# Altium PCB AVR64DA64-BREAKOUT.PcbDoc (part 1 of 4) (continued)
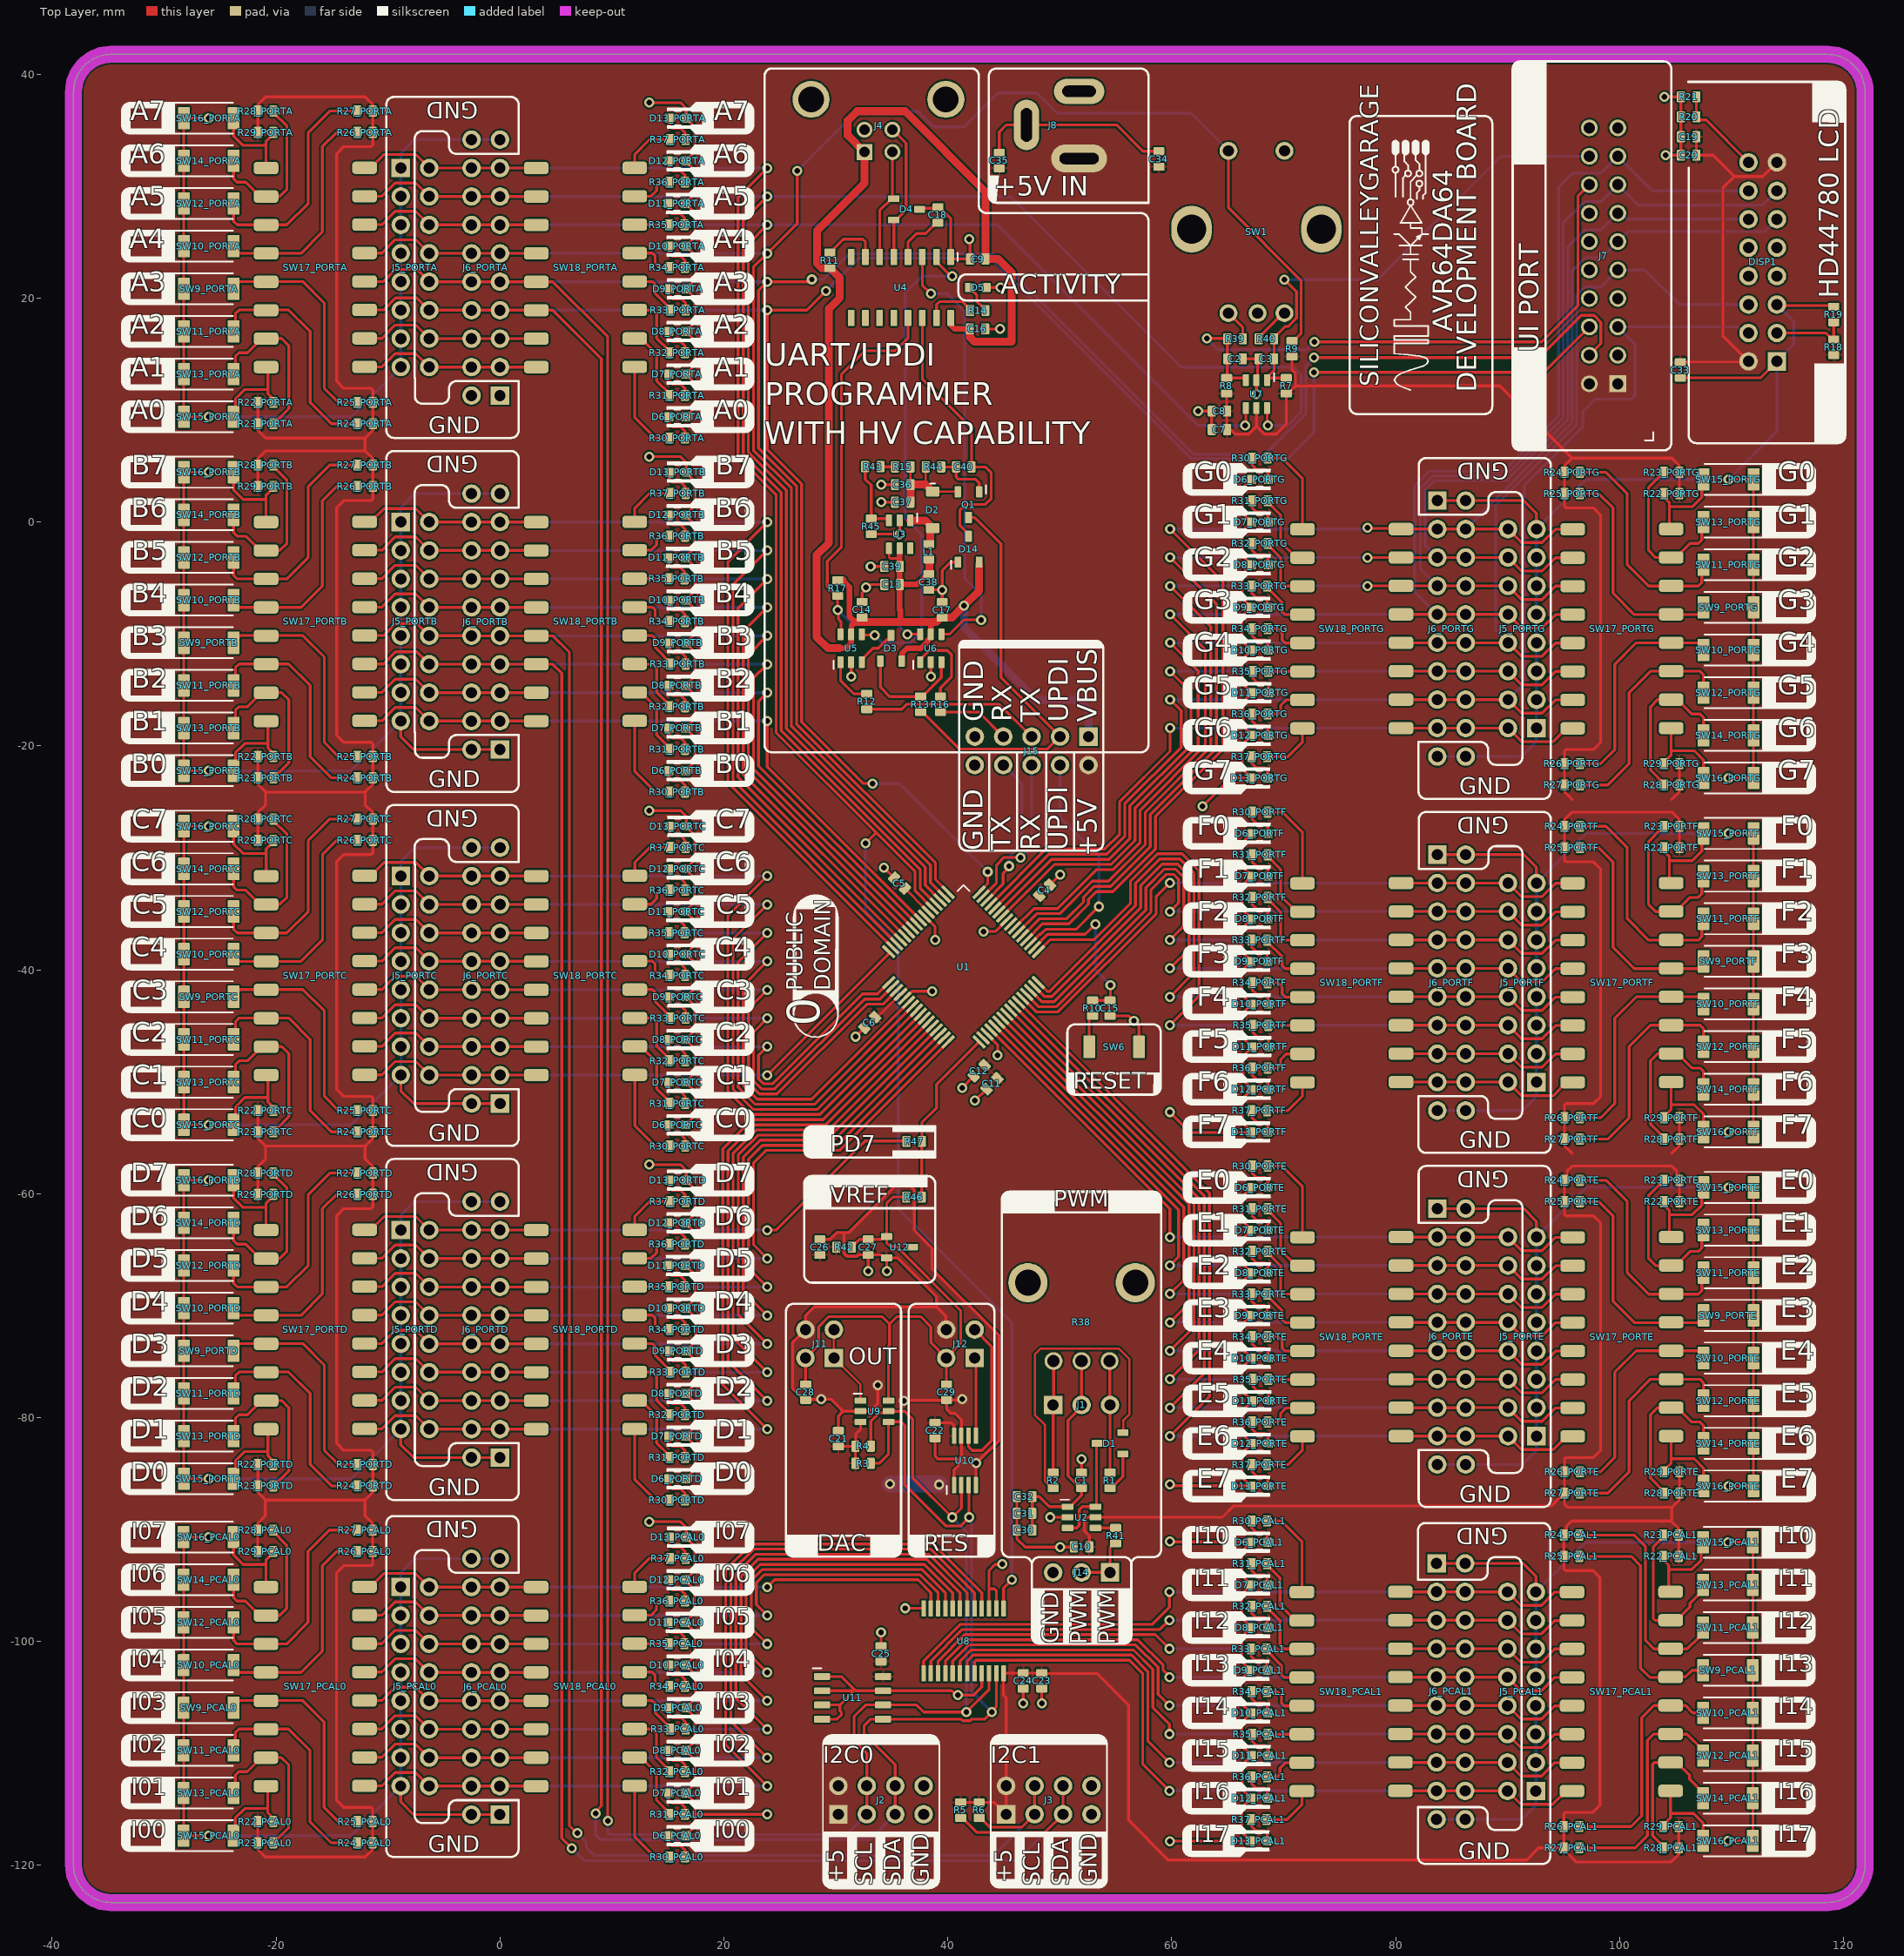
[diagram p0: Top Layer view]
## Components (designator, comment, footprint, x,y, rotation, side; value= is the part's Value field where it differs from the comment) (continued)
D12_PORTC "KT-0603W" LED-0603-GREEN 15.84,-30.976 r180 top (schematic designator D12)
D12_PORTD "KT-0603W" LED-0603-GREEN 15.836,-62.599 r180 top (schematic designator D12)
D12_PORTE "KT-0603W" LED-0603-GREEN 67.877,-82.296 r0 top (schematic designator D12)
D12_PORTF "KT-0603W" LED-0603-GREEN 67.877,-50.673 r0 top (schematic designator D12)
D12_PORTG "KT-0603W" LED-0603-GREEN 67.877,-19.05 r0 top (schematic designator D12)
D13_PCAL0 "KT-0603W" LED-0603-GREEN 15.879,-90.678 r180 top (schematic designator D13)
D13_PCAL1 "KT-0603W" LED-0603-GREEN 67.767,-117.796 r0 top (schematic designator D13)
D13_PORTA "KT-0603W" LED-0603-GREEN 15.891,36.08 r180 top (schematic designator D13)
D13_PORTB "KT-0603W" LED-0603-GREEN 15.891,4.457 r180 top (schematic designator D13)
D13_PORTC "KT-0603W" LED-0603-GREEN 15.895,-27.166 r180 top (schematic designator D13)
D13_PORTD "KT-0603W" LED-0603-GREEN 15.891,-58.789 r180 top (schematic designator D13)
D13_PORTE "KT-0603W" LED-0603-GREEN 67.822,-86.106 r0 top (schematic designator D13)
D13_PORTF "KT-0603W" LED-0603-GREEN 67.822,-54.483 r0 top (schematic designator D13)
D13_PORTG "KT-0603W" LED-0603-GREEN 67.822,-22.86 r0 top (schematic designator D13)
D14 "BAV99" SOT23 41.85,-2.425 r90 top
DISP1 "DISPLAY-LCD-2X40" CONNECTOR-GENERIC-BOXHEADER-2X8 112.792,23.233 r90 top
J1 "BOXHEADER-2X4" HEADER-GENERIC-MALE-1X3 51.943,-78.867 r0 top
J2 "BOXHEADER-2X4" CONNECTOR-GENERIC-PINHEADER-2X4 34.04,-114.173 r0 top
J3 "BOXHEADER-2X4" CONNECTOR-GENERIC-PINHEADER-2X4 49.026,-114.173 r0 top
J4 "CONN-CUI-UJ2-BH-BL1-TH" CONN-CUI-UJ2-BH-BL1-TH 33.102,35.877 r180 top
J5_PCAL0 "BOXHEADER-3X2" CONNECTOR-GENERIC-PINHEADER-2X8 -7.616,-104.013 r270 top (schematic designator J5)
J5_PCAL1 "BOXHEADER-3X2" CONNECTOR-GENERIC-PINHEADER-2X8 91.262,-104.461 r90 top (schematic designator J5)
J5_PORTA "BOXHEADER-3X2" CONNECTOR-GENERIC-PINHEADER-2X8 -7.604,22.745 r270 top (schematic designator J5)
J5_PORTB "BOXHEADER-3X2" CONNECTOR-GENERIC-PINHEADER-2X8 -7.604,-8.878 r270 top (schematic designator J5)
J5_PORTC "BOXHEADER-3X2" CONNECTOR-GENERIC-PINHEADER-2X8 -7.6,-40.501 r270 top (schematic designator J5)
J5_PORTD "BOXHEADER-3X2" CONNECTOR-GENERIC-PINHEADER-2X8 -7.604,-72.124 r270 top (schematic designator J5)
J5_PORTE "BOXHEADER-3X2" CONNECTOR-GENERIC-PINHEADER-2X8 91.317,-72.771 r90 top (schematic designator J5)
J5_PORTF "BOXHEADER-3X2" CONNECTOR-GENERIC-PINHEADER-2X8 91.317,-41.148 r90 top (schematic designator J5)
J5_PORTG "BOXHEADER-3X2" CONNECTOR-GENERIC-PINHEADER-2X8 91.317,-9.525 r90 top (schematic designator J5)
J6_PCAL0 "BOXHEADER-3X2" CONNECTOR-GENERIC-PINHEADER-2X10 -1.266,-104.013 r90 top (schematic designator J6)
J6_PCAL1 "BOXHEADER-3X2" CONNECTOR-GENERIC-PINHEADER-2X10 84.912,-104.461 r270 top (schematic designator J6)
J6_PORTA "BOXHEADER-3X2" CONNECTOR-GENERIC-PINHEADER-2X10 -1.254,22.745 r90 top (schematic designator J6)
J6_PORTB "BOXHEADER-3X2" CONNECTOR-GENERIC-PINHEADER-2X10 -1.254,-8.878 r90 top (schematic designator J6)
J6_PORTC "BOXHEADER-3X2" CONNECTOR-GENERIC-PINHEADER-2X10 -1.25,-40.501 r90 top (schematic designator J6)
J6_PORTD "BOXHEADER-3X2" CONNECTOR-GENERIC-PINHEADER-2X10 -1.254,-72.124 r90 top (schematic designator J6)
J6_PORTE "BOXHEADER-3X2" CONNECTOR-GENERIC-PINHEADER-2X10 84.967,-72.771 r270 top (schematic designator J6)
J6_PORTF "BOXHEADER-3X2" CONNECTOR-GENERIC-PINHEADER-2X10 84.967,-41.148 r270 top (schematic designator J6)
J6_PORTG "BOXHEADER-3X2" CONNECTOR-GENERIC-PINHEADER-2X10 84.967,-9.525 r270 top (schematic designator J6)
J7 "BOXHEADER-10X2" "CONNECTOR GENERIC-BOXHEADER-2X10" 98.57,23.785 r180 top
J8 "PJ002B" CONN-CUI-PJ-002B 51.725,38.475 r180 top
J11 "BOXHEADER-2x2" CONNECTOR-GENERIC-PINHEADER-2X2 28.575,-73.406 r90 top
J12 "BOXHEADER-2x2" CONNECTOR-GENERIC-PINHEADER-2X2 41.148,-73.406 r90 top
J14 "BOXHEADER-2X4" HEADER-GENERIC-MALE-1X3 51.943,-93.824 r180 top
J15 "BOXHEADER-3X2" CONNECTOR-GENERIC-PINHEADER-2X5 47.498,-20.447 r180 top
L1 "10uH" CAPC0603 38.3,-2.65 r90 top value=4u7H
Q1 "AO3401" SOT23 41.85,1.55 r270 top
R1 "RESC0603" RESC0603 54.483,-85.598 r270 top value=1K
R2 "RESC0603" RESC0603 49.403,-85.598 r270 top value=1K
R3 "RESC0603" RESC0603 32.431,-84.081 r0 top value=4K7
R4 "RESC0603" RESC0603 32.431,-82.557 r0 top value=4K7
R5 "RESC0603" RESC0603 41.148,-115.062 r270 top value=4K7
R6 "RESC0603" RESC0603 42.799,-115.062 r270 top value=4K7
R7 "RESC0603" RESC0603 70.231,12.172 r90 top value=4K7
R8 "RESC0603" RESC0603 64.897,12.172 r90 top value=4K7
R9 "RESC0603" RESC0603 70.739,15.474 r90 top value=4K7
R10 "RESC0603" RESC0603 52.925,-43.425 r90 top value=470R
R11 "RESC0603" RESC0603 29.464,23.368 r90 top value=1K
R12 "RESC0603" RESC0603 32.759,-16.025 r270 top value=470R
R13 "RESC0603" RESC0603 37.565,-16.275 r270 top value=1K
R14 "RESC0603" RESC0603 42.675,18.9 r0 top value=1K
R15 "RESC0603" RESC0603 35.975,4.925 r180 top value=18K
R16 "RESC0603" RESC0603 39.343,-16.275 r270 top value=470R
R17 "RESC0603" RESC0603 30.175,-5.9 r270 top value=10K
R18 "RESC0603" RESC0603 119.126,15.621 r90 top value=10K
R19 "RESC0603" RESC0603 119.126,18.542 r270 top value=470R
R20 "RESC0603" RESC0603 106.172,36.195 r0 top value=470R
R21 "RESC0603" RESC0603 106.172,37.973 r0 top value=470R
R22_PCAL0 "RESC0603" RESC0603 -20.951,-116.078 r0 top value=10K (schematic designator R22)
R22_PCAL1 "RESC0603" RESC0603 104.597,-92.396 r180 top value=10K (schematic designator R22)
R22_PORTA "RESC0603" RESC0603 -20.939,10.68 r0 top value=10K (schematic designator R22)
R22_PORTB "RESC0603" RESC0603 -20.939,-20.943 r0 top value=10K (schematic designator R22)
R22_PORTC "RESC0603" RESC0603 -20.935,-52.566 r0 top value=10K (schematic designator R22)
R22_PORTD "RESC0603" RESC0603 -20.939,-84.189 r0 top value=10K (schematic designator R22)
R22_PORTE "RESC0603" RESC0603 104.652,-60.706 r180 top value=10K (schematic designator R22)
R22_PORTF "RESC0603" RESC0603 104.652,-29.083 r180 top value=10K (schematic designator R22)
R22_PORTG "RESC0603" RESC0603 104.652,2.54 r180 top value=10K (schematic designator R22)
R23_PCAL0 "RESC0603" RESC0603 -20.951,-117.983 r0 top value=10K (schematic designator R23)
R23_PCAL1 "RESC0603" RESC0603 104.597,-90.491 r180 top value=10K (schematic designator R23)
R23_PORTA "RESC0603" RESC0603 -20.939,8.775 r0 top value=10K (schematic designator R23)
R23_PORTB "RESC0603" RESC0603 -20.939,-22.848 r0 top value=10K (schematic designator R23)
R23_PORTC "RESC0603" RESC0603 -20.935,-54.471 r0 top value=10K (schematic designator R23)
R23_PORTD "RESC0603" RESC0603 -20.939,-86.094 r0 top value=10K (schematic designator R23)
R23_PORTE "RESC0603" RESC0603 104.652,-58.801 r180 top value=10K (schematic designator R23)
R23_PORTF "RESC0603" RESC0603 104.652,-27.178 r180 top value=10K (schematic designator R23)
R23_PORTG "RESC0603" RESC0603 104.652,4.445 r180 top value=10K (schematic designator R23)
R24_PCAL0 "RESC0603" RESC0603 -12.061,-117.983 r180 top value=10K (schematic designator R24)
R24_PCAL1 "RESC0603" RESC0603 95.707,-90.491 r0 top value=10K (schematic designator R24)
R24_PORTA "RESC0603" RESC0603 -12.049,8.775 r180 top value=10K (schematic designator R24)
R24_PORTB "RESC0603" RESC0603 -12.049,-22.848 r180 top value=10K (schematic designator R24)
R24_PORTC "RESC0603" RESC0603 -12.045,-54.471 r180 top value=10K (schematic designator R24)
R24_PORTD "RESC0603" RESC0603 -12.049,-86.094 r180 top value=10K (schematic designator R24)
R24_PORTE "RESC0603" RESC0603 95.762,-58.801 r0 top value=10K (schematic designator R24)
R24_PORTF "RESC0603" RESC0603 95.762,-27.178 r0 top value=10K (schematic designator R24)
R24_PORTG "RESC0603" RESC0603 95.762,4.445 r0 top value=10K (schematic designator R24)
R25_PCAL0 "RESC0603" RESC0603 -12.061,-116.078 r180 top value=10K (schematic designator R25)
R25_PCAL1 "RESC0603" RESC0603 95.707,-92.396 r0 top value=10K (schematic designator R25)
R25_PORTA "RESC0603" RESC0603 -12.049,10.68 r180 top value=10K (schematic designator R25)
R25_PORTB "RESC0603" RESC0603 -12.049,-20.943 r180 top value=10K (schematic designator R25)
R25_PORTC "RESC0603" RESC0603 -12.045,-52.566 r180 top value=10K (schematic designator R25)
R25_PORTD "RESC0603" RESC0603 -12.049,-84.189 r180 top value=10K (schematic designator R25)
R25_PORTE "RESC0603" RESC0603 95.762,-60.706 r0 top value=10K (schematic designator R25)
R25_PORTF "RESC0603" RESC0603 95.762,-29.083 r0 top value=10K (schematic designator R25)
R25_PORTG "RESC0603" RESC0603 95.762,2.54 r0 top value=10K (schematic designator R25)
R26_PCAL0 "RESC0603" RESC0603 -12.061,-91.948 r180 top value=10K (schematic designator R26)
R26_PCAL1 "RESC0603" RESC0603 95.707,-116.526 r0 top value=10K (schematic designator R26)
R26_PORTA "RESC0603" RESC0603 -12.049,34.81 r180 top value=10K (schematic designator R26)
R26_PORTB "RESC0603" RESC0603 -12.049,3.187 r180 top value=10K (schematic designator R26)
R26_PORTC "RESC0603" RESC0603 -12.045,-28.436 r180 top value=10K (schematic designator R26)
R26_PORTD "RESC0603" RESC0603 -12.049,-60.059 r180 top value=10K (schematic designator R26)
R26_PORTE "RESC0603" RESC0603 95.762,-84.836 r0 top value=10K (schematic designator R26)
R26_PORTF "RESC0603" RESC0603 95.762,-53.213 r0 top value=10K (schematic designator R26)
R26_PORTG "RESC0603" RESC0603 95.762,-21.59 r0 top value=10K (schematic designator R26)
R27_PCAL0 "RESC0603" RESC0603 -12.061,-90.043 r180 top value=10K (schematic designator R27)
R27_PCAL1 "RESC0603" RESC0603 95.707,-118.431 r0 top value=10K (schematic designator R27)
R27_PORTA "RESC0603" RESC0603 -12.049,36.715 r180 top value=10K (schematic designator R27)
R27_PORTB "RESC0603" RESC0603 -12.049,5.092 r180 top value=10K (schematic designator R27)
R27_PORTC "RESC0603" RESC0603 -12.045,-26.531 r180 top value=10K (schematic designator R27)
R27_PORTD "RESC0603" RESC0603 -12.049,-58.154 r180 top value=10K (schematic designator R27)
R27_PORTE "RESC0603" RESC0603 95.762,-86.741 r0 top value=10K (schematic designator R27)
R27_PORTF "RESC0603" RESC0603 95.762,-55.118 r0 top value=10K (schematic designator R27)
R27_PORTG "RESC0603" RESC0603 95.762,-23.495 r0 top value=10K (schematic designator R27)
R28_PCAL0 "RESC0603" RESC0603 -20.951,-90.043 r0 top value=10K (schematic designator R28)
R28_PCAL1 "RESC0603" RESC0603 104.597,-118.431 r180 top value=10K (schematic designator R28)
R28_PORTA "RESC0603" RESC0603 -20.939,36.715 r0 top value=10K (schematic designator R28)
R28_PORTB "RESC0603" RESC0603 -20.939,5.092 r0 top value=10K (schematic designator R28)
R28_PORTC "RESC0603" RESC0603 -20.935,-26.531 r0 top value=10K (schematic designator R28)
R28_PORTD "RESC0603" RESC0603 -20.939,-58.154 r0 top value=10K (schematic designator R28)
R28_PORTE "RESC0603" RESC0603 104.652,-86.741 r180 top value=10K (schematic designator R28)
R28_PORTF "RESC0603" RESC0603 104.652,-55.118 r180 top value=10K (schematic designator R28)
R28_PORTG "RESC0603" RESC0603 104.652,-23.495 r180 top value=10K (schematic designator R28)
R29_PCAL0 "RESC0603" RESC0603 -20.951,-91.948 r0 top value=10K (schematic designator R29)
R29_PCAL1 "RESC0603" RESC0603 104.597,-116.526 r180 top value=10K (schematic designator R29)
R29_PORTA "RESC0603" RESC0603 -20.939,34.81 r0 top value=10K (schematic designator R29)
R29_PORTB "RESC0603" RESC0603 -20.939,3.187 r0 top value=10K (schematic designator R29)
R29_PORTC "RESC0603" RESC0603 -20.935,-28.436 r0 top value=10K (schematic designator R29)
R29_PORTD "RESC0603" RESC0603 -20.939,-60.059 r0 top value=10K (schematic designator R29)
R29_PORTE "RESC0603" RESC0603 104.652,-84.836 r180 top value=10K (schematic designator R29)
R29_PORTF "RESC0603" RESC0603 104.652,-53.213 r180 top value=10K (schematic designator R29)
R29_PORTG "RESC0603" RESC0603 104.652,-21.59 r180 top value=10K (schematic designator R29)
R30_PCAL0 "RESC0603" RESC0603 15.824,-119.253 r180 top value=4K7 (schematic designator R30)
R30_PCAL1 "RESC0603" RESC0603 67.822,-89.221 r0 top value=4K7 (schematic designator R30)
R30_PORTA "RESC0603" RESC0603 15.836,7.505 r180 top value=4K7 (schematic designator R30)
R30_PORTB "RESC0603" RESC0603 15.836,-24.118 r180 top value=4K7 (schematic designator R30)
R30_PORTC "RESC0603" RESC0603 15.84,-55.741 r180 top value=4K7 (schematic designator R30)
R30_PORTD "RESC0603" RESC0603 15.836,-87.364 r180 top value=4K7 (schematic designator R30)
R30_PORTE "RESC0603" RESC0603 67.877,-57.531 r0 top value=4K7 (schematic designator R30)
R30_PORTF "RESC0603" RESC0603 67.877,-25.908 r0 top value=4K7 (schematic designator R30)
R30_PORTG "RESC0603" RESC0603 67.877,5.715 r0 top value=4K7 (schematic designator R30)
R31_PCAL0 "RESC0603" RESC0603 15.824,-115.443 r180 top value=4K7 (schematic designator R31)
R31_PCAL1 "RESC0603" RESC0603 67.822,-93.031 r0 top value=4K7 (schematic designator R31)
R31_PORTA "RESC0603" RESC0603 15.836,11.315 r180 top value=4K7 (schematic designator R31)
R31_PORTB "RESC0603" RESC0603 15.836,-20.308 r180 top value=4K7 (schematic designator R31)
R31_PORTC "RESC0603" RESC0603 15.84,-51.931 r180 top value=4K7 (schematic designator R31)
R31_PORTD "RESC0603" RESC0603 15.836,-83.554 r180 top value=4K7 (schematic designator R31)
R31_PORTE "RESC0603" RESC0603 67.877,-61.341 r0 top value=4K7 (schematic designator R31)
R31_PORTF "RESC0603" RESC0603 67.877,-29.718 r0 top value=4K7 (schematic designator R31)
R31_PORTG "RESC0603" RESC0603 67.877,1.905 r0 top value=4K7 (schematic designator R31)
R32_PCAL0 "RESC0603" RESC0603 15.824,-111.633 r180 top value=4K7 (schematic designator R32)
R32_PCAL1 "RESC0603" RESC0603 67.822,-96.841 r0 top value=4K7 (schematic designator R32)
R32_PORTA "RESC0603" RESC0603 15.836,15.125 r180 top value=4K7 (schematic designator R32)
R32_PORTB "RESC0603" RESC0603 15.836,-16.498 r180 top value=4K7 (schematic designator R32)
R32_PORTC "RESC0603" RESC0603 15.84,-48.121 r180 top value=4K7 (schematic designator R32)
R32_PORTD "RESC0603" RESC0603 15.836,-79.744 r180 top value=4K7 (schematic designator R32)
R32_PORTE "RESC0603" RESC0603 67.877,-65.151 r0 top value=4K7 (schematic designator R32)
R32_PORTF "RESC0603" RESC0603 67.877,-33.528 r0 top value=4K7 (schematic designator R32)
R32_PORTG "RESC0603" RESC0603 67.877,-1.905 r0 top value=4K7 (schematic designator R32)
R33_PCAL0 "RESC0603" RESC0603 15.879,-107.823 r180 top value=4K7 (schematic designator R33)
R33_PCAL1 "RESC0603" RESC0603 67.767,-100.651 r0 top value=4K7 (schematic designator R33)
R33_PORTA "RESC0603" RESC0603 15.891,18.935 r180 top value=4K7 (schematic designator R33)
R33_PORTB "RESC0603" RESC0603 15.891,-12.688 r180 top value=4K7 (schematic designator R33)
R33_PORTC "RESC0603" RESC0603 15.895,-44.311 r180 top value=4K7 (schematic designator R33)
R33_PORTD "RESC0603" RESC0603 15.891,-75.934 r180 top value=4K7 (schematic designator R33)
R33_PORTE "RESC0603" RESC0603 67.822,-68.961 r0 top value=4K7 (schematic designator R33)
R33_PORTF "RESC0603" RESC0603 67.822,-37.338 r0 top value=4K7 (schematic designator R33)
R33_PORTG "RESC0603" RESC0603 67.822,-5.715 r0 top value=4K7 (schematic designator R33)
R34_PCAL0 "RESC0603" RESC0603 15.824,-104.013 r180 top value=4K7 (schematic designator R34)
R34_PCAL1 "RESC0603" RESC0603 67.822,-104.461 r0 top value=4K7 (schematic designator R34)
R34_PORTA "RESC0603" RESC0603 15.836,22.745 r180 top value=4K7 (schematic designator R34)
R34_PORTB "RESC0603" RESC0603 15.836,-8.878 r180 top value=4K7 (schematic designator R34)
R34_PORTC "RESC0603" RESC0603 15.84,-40.501 r180 top value=4K7 (schematic designator R34)
R34_PORTD "RESC0603" RESC0603 15.836,-72.124 r180 top value=4K7 (schematic designator R34)
R34_PORTE "RESC0603" RESC0603 67.877,-72.771 r0 top value=4K7 (schematic designator R34)
R34_PORTF "RESC0603" RESC0603 67.877,-41.148 r0 top value=4K7 (schematic designator R34)
R34_PORTG "RESC0603" RESC0603 67.877,-9.525 r0 top value=4K7 (schematic designator R34)
R35_PCAL0 "RESC0603" RESC0603 15.769,-100.203 r180 top value=4K7 (schematic designator R35)
R35_PCAL1 "RESC0603" RESC0603 67.877,-108.271 r0 top value=4K7 (schematic designator R35)
R35_PORTA "RESC0603" RESC0603 15.781,26.555 r180 top value=4K7 (schematic designator R35)
R35_PORTB "RESC0603" RESC0603 15.781,-5.068 r180 top value=4K7 (schematic designator R35)
R35_PORTC "RESC0603" RESC0603 15.785,-36.691 r180 top value=4K7 (schematic designator R35)
R35_PORTD "RESC0603" RESC0603 15.781,-68.314 r180 top value=4K7 (schematic designator R35)
R35_PORTE "RESC0603" RESC0603 67.932,-76.581 r0 top value=4K7 (schematic designator R35)
R35_PORTF "RESC0603" RESC0603 67.932,-44.958 r0 top value=4K7 (schematic designator R35)
R35_PORTG "RESC0603" RESC0603 67.932,-13.335 r0 top value=4K7 (schematic designator R35)
R36_PCAL0 "RESC0603" RESC0603 15.824,-96.393 r180 top value=4K7 (schematic designator R36)
R36_PCAL1 "RESC0603" RESC0603 67.822,-112.081 r0 top value=4K7 (schematic designator R36)
R36_PORTA "RESC0603" RESC0603 15.836,30.365 r180 top value=4K7 (schematic designator R36)
R36_PORTB "RESC0603" RESC0603 15.836,-1.258 r180 top value=4K7 (schematic designator R36)
R36_PORTC "RESC0603" RESC0603 15.84,-32.881 r180 top value=4K7 (schematic designator R36)
R36_PORTD "RESC0603" RESC0603 15.836,-64.504 r180 top value=4K7 (schematic designator R36)
R36_PORTE "RESC0603" RESC0603 67.877,-80.391 r0 top value=4K7 (schematic designator R36)
R36_PORTF "RESC0603" RESC0603 67.877,-48.768 r0 top value=4K7 (schematic designator R36)
R36_PORTG "RESC0603" RESC0603 67.877,-17.145 r0 top value=4K7 (schematic designator R36)
R37_PCAL0 "RESC0603" RESC0603 15.879,-92.583 r180 top value=4K7 (schematic designator R37)
R37_PCAL1 "RESC0603" RESC0603 67.767,-115.891 r0 top value=4K7 (schematic designator R37)
R37_PORTA "RESC0603" RESC0603 15.891,34.175 r180 top value=4K7 (schematic designator R37)
R37_PORTB "RESC0603" RESC0603 15.891,2.552 r180 top value=4K7 (schematic designator R37)
R37_PORTC "RESC0603" RESC0603 15.895,-29.071 r180 top value=4K7 (schematic designator R37)
R37_PORTD "RESC0603" RESC0603 15.891,-60.694 r180 top value=4K7 (schematic designator R37)
R37_PORTE "RESC0603" RESC0603 67.822,-84.201 r0 top value=4K7 (schematic designator R37)
R37_PORTF "RESC0603" RESC0603 67.822,-52.578 r0 top value=4K7 (schematic designator R37)
R37_PORTG "RESC0603" RESC0603 67.822,-20.955 r0 top value=4K7 (schematic designator R37)
R38 "POTMETER-PTV09A-4015F-B103" POTMETER-PTV09A-4015F-BXXX 51.943,-67.945 r0 top value=10K
R39 "RESC0603" RESC0603 65.659,16.363 r0 top value=470R
R40 "RESC0603" RESC0603 68.453,16.363 r180 top value=470R
R41 "RESC0603" RESC0603 54.991,-90.551 r90 top value=470R
R42 "RESC0603" RESC0603 30.734,-64.77 r0 top value=1K
R43 "RESC0603" RESC0603 33.3,4.95 r0 top value=1K
R44 "RESC0603" RESC0603 38.725,4.925 r0 top value=10K
R45 "RESC0603" RESC0603 33.15,-0.375 r90 top value=1K
R46 "RESC0603" RESC0603 36.975,-60.3 r0 top value=470R
R47 "RESC0603" RESC0603 37,-55.325 r0 top value=470R
SW1 "PEC12R-XX" SWITCH-BOURNS-PEC12R-4120F-S0012 67.564,26.162 r0 top
SW6 "SWITCH-XUNPU-TS-1088-AR02016" SWITCH-XUNPU-TS-1088-AR02016 54.85,-46.875 r180 top
SW9_PCAL0 "SWITCH-XUNPU-TS-1088-AR02016" SWITCH-XUNPU-TS-1088-AR02016 -26.031,-105.918 r0 top (schematic designator SW9)
SW9_PCAL1 "SWITCH-XUNPU-TS-1088-AR02016" SWITCH-XUNPU-TS-1088-AR02016 109.677,-102.556 r180 top (schematic designator SW9)
SW9_PORTA "SWITCH-XUNPU-TS-1088-AR02016" SWITCH-XUNPU-TS-1088-AR02016 -26.019,20.84 r0 top (schematic designator SW9)
SW9_PORTB "SWITCH-XUNPU-TS-1088-AR02016" SWITCH-XUNPU-TS-1088-AR02016 -26.019,-10.783 r0 top (schematic designator SW9)
SW9_PORTC "SWITCH-XUNPU-TS-1088-AR02016" SWITCH-XUNPU-TS-1088-AR02016 -26.015,-42.406 r0 top (schematic designator SW9)
SW9_PORTD "SWITCH-XUNPU-TS-1088-AR02016" SWITCH-XUNPU-TS-1088-AR02016 -26.019,-74.029 r0 top (schematic designator SW9)
SW9_PORTE "SWITCH-XUNPU-TS-1088-AR02016" SWITCH-XUNPU-TS-1088-AR02016 109.732,-70.866 r180 top (schematic designator SW9)
SW9_PORTF "SWITCH-XUNPU-TS-1088-AR02016" SWITCH-XUNPU-TS-1088-AR02016 109.732,-39.243 r180 top (schematic designator SW9)
SW9_PORTG "SWITCH-XUNPU-TS-1088-AR02016" SWITCH-XUNPU-TS-1088-AR02016 109.732,-7.62 r180 top (schematic designator SW9)
SW10_PCAL0 "SWITCH-XUNPU-TS-1088-AR02016" SWITCH-XUNPU-TS-1088-AR02016 -26.031,-102.108 r180 top (schematic designator SW10)
SW10_PCAL1 "SWITCH-XUNPU-TS-1088-AR02016" SWITCH-XUNPU-TS-1088-AR02016 109.677,-106.366 r0 top (schematic designator SW10)
SW10_PORTA "SWITCH-XUNPU-TS-1088-AR02016" SWITCH-XUNPU-TS-1088-AR02016 -26.019,24.65 r180 top (schematic designator SW10)
SW10_PORTB "SWITCH-XUNPU-TS-1088-AR02016" SWITCH-XUNPU-TS-1088-AR02016 -26.019,-6.973 r180 top (schematic designator SW10)
SW10_PORTC "SWITCH-XUNPU-TS-1088-AR02016" SWITCH-XUNPU-TS-1088-AR02016 -26.015,-38.596 r180 top (schematic designator SW10)
SW10_PORTD "SWITCH-XUNPU-TS-1088-AR02016" SWITCH-XUNPU-TS-1088-AR02016 -26.019,-70.219 r180 top (schematic designator SW10)
SW10_PORTE "SWITCH-XUNPU-TS-1088-AR02016" SWITCH-XUNPU-TS-1088-AR02016 109.732,-74.676 r0 top (schematic designator SW10)
SW10_PORTF "SWITCH-XUNPU-TS-1088-AR02016" SWITCH-XUNPU-TS-1088-AR02016 109.732,-43.053 r0 top (schematic designator SW10)
SW10_PORTG "SWITCH-XUNPU-TS-1088-AR02016" SWITCH-XUNPU-TS-1088-AR02016 109.732,-11.43 r0 top (schematic designator SW10)
SW11_PCAL0 "SWITCH-XUNPU-TS-1088-AR02016" SWITCH-XUNPU-TS-1088-AR02016 -26.031,-109.728 r0 top (schematic designator SW11)
SW11_PCAL1 "SWITCH-XUNPU-TS-1088-AR02016" SWITCH-XUNPU-TS-1088-AR02016 109.677,-98.746 r180 top (schematic designator SW11)
SW11_PORTA "SWITCH-XUNPU-TS-1088-AR02016" SWITCH-XUNPU-TS-1088-AR02016 -26.019,17.03 r0 top (schematic designator SW11)
SW11_PORTB "SWITCH-XUNPU-TS-1088-AR02016" SWITCH-XUNPU-TS-1088-AR02016 -26.019,-14.593 r0 top (schematic designator SW11)
SW11_PORTC "SWITCH-XUNPU-TS-1088-AR02016" SWITCH-XUNPU-TS-1088-AR02016 -26.015,-46.216 r0 top (schematic designator SW11)
SW11_PORTD "SWITCH-XUNPU-TS-1088-AR02016" SWITCH-XUNPU-TS-1088-AR02016 -26.019,-77.839 r0 top (schematic designator SW11)
SW11_PORTE "SWITCH-XUNPU-TS-1088-AR02016" SWITCH-XUNPU-TS-1088-AR02016 109.732,-67.056 r180 top (schematic designator SW11)
SW11_PORTF "SWITCH-XUNPU-TS-1088-AR02016" SWITCH-XUNPU-TS-1088-AR02016 109.732,-35.433 r180 top (schematic designator SW11)
SW11_PORTG "SWITCH-XUNPU-TS-1088-AR02016" SWITCH-XUNPU-TS-1088-AR02016 109.732,-3.81 r180 top (schematic designator SW11)
SW12_PCAL0 "SWITCH-XUNPU-TS-1088-AR02016" SWITCH-XUNPU-TS-1088-AR02016 -26.031,-98.298 r180 top (schematic designator SW12)
SW12_PCAL1 "SWITCH-XUNPU-TS-1088-AR02016" SWITCH-XUNPU-TS-1088-AR02016 109.677,-110.176 r0 top (schematic designator SW12)
SW12_PORTA "SWITCH-XUNPU-TS-1088-AR02016" SWITCH-XUNPU-TS-1088-AR02016 -26.019,28.46 r180 top (schematic designator SW12)
SW12_PORTB "SWITCH-XUNPU-TS-1088-AR02016" SWITCH-XUNPU-TS-1088-AR02016 -26.019,-3.163 r180 top (schematic designator SW12)
SW12_PORTC "SWITCH-XUNPU-TS-1088-AR02016" SWITCH-XUNPU-TS-1088-AR02016 -26.015,-34.786 r180 top (schematic designator SW12)
SW12_PORTD "SWITCH-XUNPU-TS-1088-AR02016" SWITCH-XUNPU-TS-1088-AR02016 -26.019,-66.409 r180 top (schematic designator SW12)
SW12_PORTE "SWITCH-XUNPU-TS-1088-AR02016" SWITCH-XUNPU-TS-1088-AR02016 109.732,-78.486 r0 top (schematic designator SW12)
SW12_PORTF "SWITCH-XUNPU-TS-1088-AR02016" SWITCH-XUNPU-TS-1088-AR02016 109.732,-46.863 r0 top (schematic designator SW12)
SW12_PORTG "SWITCH-XUNPU-TS-1088-AR02016" SWITCH-XUNPU-TS-1088-AR02016 109.732,-15.24 r0 top (schematic designator SW12)
SW13_PCAL0 "SWITCH-XUNPU-TS-1088-AR02016" SWITCH-XUNPU-TS-1088-AR02016 -26.031,-113.538 r0 top (schematic designator SW13)
SW13_PCAL1 "SWITCH-XUNPU-TS-1088-AR02016" SWITCH-XUNPU-TS-1088-AR02016 109.677,-94.936 r180 top (schematic designator SW13)
SW13_PORTA "SWITCH-XUNPU-TS-1088-AR02016" SWITCH-XUNPU-TS-1088-AR02016 -26.019,13.22 r0 top (schematic designator SW13)
SW13_PORTB "SWITCH-XUNPU-TS-1088-AR02016" SWITCH-XUNPU-TS-1088-AR02016 -26.019,-18.403 r0 top (schematic designator SW13)
SW13_PORTC "SWITCH-XUNPU-TS-1088-AR02016" SWITCH-XUNPU-TS-1088-AR02016 -26.015,-50.026 r0 top (schematic designator SW13)
SW13_PORTD "SWITCH-XUNPU-TS-1088-AR02016" SWITCH-XUNPU-TS-1088-AR02016 -26.019,-81.649 r0 top (schematic designator SW13)
SW13_PORTE "SWITCH-XUNPU-TS-1088-AR02016" SWITCH-XUNPU-TS-1088-AR02016 109.732,-63.246 r180 top (schematic designator SW13)
SW13_PORTF "SWITCH-XUNPU-TS-1088-AR02016" SWITCH-XUNPU-TS-1088-AR02016 109.732,-31.623 r180 top (schematic designator SW13)
SW13_PORTG "SWITCH-XUNPU-TS-1088-AR02016" SWITCH-XUNPU-TS-1088-AR02016 109.732,0 r180 top (schematic designator SW13)
SW14_PCAL0 "SWITCH-XUNPU-TS-1088-AR02016" SWITCH-XUNPU-TS-1088-AR02016 -26.031,-94.488 r180 top (schematic designator SW14)
SW14_PCAL1 "SWITCH-XUNPU-TS-1088-AR02016" SWITCH-XUNPU-TS-1088-AR02016 109.677,-113.986 r0 top (schematic designator SW14)
SW14_PORTA "SWITCH-XUNPU-TS-1088-AR02016" SWITCH-XUNPU-TS-1088-AR02016 -26.019,32.27 r180 top (schematic designator SW14)
SW14_PORTB "SWITCH-XUNPU-TS-1088-AR02016" SWITCH-XUNPU-TS-1088-AR02016 -26.019,0.647 r180 top (schematic designator SW14)
SW14_PORTC "SWITCH-XUNPU-TS-1088-AR02016" SWITCH-XUNPU-TS-1088-AR02016 -26.015,-30.976 r180 top (schematic designator SW14)
SW14_PORTD "SWITCH-XUNPU-TS-1088-AR02016" SWITCH-XUNPU-TS-1088-AR02016 -26.019,-62.599 r180 top (schematic designator SW14)
SW14_PORTE "SWITCH-XUNPU-TS-1088-AR02016" SWITCH-XUNPU-TS-1088-AR02016 109.732,-82.296 r0 top (schematic designator SW14)
SW14_PORTF "SWITCH-XUNPU-TS-1088-AR02016" SWITCH-XUNPU-TS-1088-AR02016 109.732,-50.673 r0 top (schematic designator SW14)
SW14_PORTG "SWITCH-XUNPU-TS-1088-AR02016" SWITCH-XUNPU-TS-1088-AR02016 109.732,-19.05 r0 top (schematic designator SW14)
SW15_PCAL0 "SWITCH-XUNPU-TS-1088-AR02016" SWITCH-XUNPU-TS-1088-AR02016 -26.031,-117.348 r0 top (schematic designator SW15)
SW15_PCAL1 "SWITCH-XUNPU-TS-1088-AR02016" SWITCH-XUNPU-TS-1088-AR02016 109.677,-91.126 r180 top (schematic designator SW15)
SW15_PORTA "SWITCH-XUNPU-TS-1088-AR02016" SWITCH-XUNPU-TS-1088-AR02016 -26.019,9.41 r0 top (schematic designator SW15)
SW15_PORTB "SWITCH-XUNPU-TS-1088-AR02016" SWITCH-XUNPU-TS-1088-AR02016 -26.019,-22.213 r0 top (schematic designator SW15)
SW15_PORTC "SWITCH-XUNPU-TS-1088-AR02016" SWITCH-XUNPU-TS-1088-AR02016 -26.015,-53.836 r0 top (schematic designator SW15)
SW15_PORTD "SWITCH-XUNPU-TS-1088-AR02016" SWITCH-XUNPU-TS-1088-AR02016 -26.019,-85.459 r0 top (schematic designator SW15)
SW15_PORTE "SWITCH-XUNPU-TS-1088-AR02016" SWITCH-XUNPU-TS-1088-AR02016 109.732,-59.436 r180 top (schematic designator SW15)
SW15_PORTF "SWITCH-XUNPU-TS-1088-AR02016" SWITCH-XUNPU-TS-1088-AR02016 109.732,-27.813 r180 top (schematic designator SW15)
SW15_PORTG "SWITCH-XUNPU-TS-1088-AR02016" SWITCH-XUNPU-TS-1088-AR02016 109.732,3.81 r180 top (schematic designator SW15)
SW16_PCAL0 "SWITCH-XUNPU-TS-1088-AR02016" SWITCH-XUNPU-TS-1088-AR02016 -26.031,-90.678 r180 top (schematic designator SW16)
SW16_PCAL1 "SWITCH-XUNPU-TS-1088-AR02016" SWITCH-XUNPU-TS-1088-AR02016 109.677,-117.796 r0 top (schematic designator SW16)
SW16_PORTA "SWITCH-XUNPU-TS-1088-AR02016" SWITCH-XUNPU-TS-1088-AR02016 -26.019,36.08 r180 top (schematic designator SW16)
SW16_PORTB "SWITCH-XUNPU-TS-1088-AR02016" SWITCH-XUNPU-TS-1088-AR02016 -26.019,4.457 r180 top (schematic designator SW16)
SW16_PORTC "SWITCH-XUNPU-TS-1088-AR02016" SWITCH-XUNPU-TS-1088-AR02016 -26.015,-27.166 r180 top (schematic designator SW16)
SW16_PORTD "SWITCH-XUNPU-TS-1088-AR02016" SWITCH-XUNPU-TS-1088-AR02016 -26.019,-58.789 r180 top (schematic designator SW16)
SW16_PORTE "SWITCH-XUNPU-TS-1088-AR02016" SWITCH-XUNPU-TS-1088-AR02016 109.732,-86.106 r0 top (schematic designator SW16)
SW16_PORTF "SWITCH-XUNPU-TS-1088-AR02016" SWITCH-XUNPU-TS-1088-AR02016 109.732,-54.483 r0 top (schematic designator SW16)
SW16_PORTG "SWITCH-XUNPU-TS-1088-AR02016" SWITCH-XUNPU-TS-1088-AR02016 109.732,-22.86 r0 top (schematic designator SW16)
SW17_PCAL0 "SWITCH-DIP-NOX8-SMT-2.54" SWITCH-CTS-219-8MST -16.506,-104.013 r180 top (schematic designator SW17)
SW17_PCAL1 "SWITCH-DIP-NOX8-SMT-2.54" SWITCH-CTS-219-8MST 100.152,-104.461 r0 top (schematic designator SW17)
SW17_PORTA "SWITCH-DIP-NOX8-SMT-2.54" SWITCH-CTS-219-8MST -16.494,22.745 r180 top (schematic designator SW17)
SW17_PORTB "SWITCH-DIP-NOX8-SMT-2.54" SWITCH-CTS-219-8MST -16.494,-8.878 r180 top (schematic designator SW17)
SW17_PORTC "SWITCH-DIP-NOX8-SMT-2.54" SWITCH-CTS-219-8MST -16.49,-40.501 r180 top (schematic designator SW17)
SW17_PORTD "SWITCH-DIP-NOX8-SMT-2.54" SWITCH-CTS-219-8MST -16.494,-72.124 r180 top (schematic designator SW17)
SW17_PORTE "SWITCH-DIP-NOX8-SMT-2.54" SWITCH-CTS-219-8MST 100.207,-72.771 r0 top (schematic designator SW17)
SW17_PORTF "SWITCH-DIP-NOX8-SMT-2.54" SWITCH-CTS-219-8MST 100.207,-41.148 r0 top (schematic designator SW17)
SW17_PORTG "SWITCH-DIP-NOX8-SMT-2.54" SWITCH-CTS-219-8MST 100.207,-9.525 r0 top (schematic designator SW17)
SW18_PCAL0 "SWITCH-DIP-NOX8-SMT-2.54" SWITCH-CTS-219-8MST 7.624,-104.013 r180 top (schematic designator SW18)
SW18_PCAL1 "SWITCH-DIP-NOX8-SMT-2.54" SWITCH-CTS-219-8MST 76.022,-104.461 r0 top (schematic designator SW18)
SW18_PORTA "SWITCH-DIP-NOX8-SMT-2.54" SWITCH-CTS-219-8MST 7.636,22.745 r180 top (schematic designator SW18)
SW18_PORTB "SWITCH-DIP-NOX8-SMT-2.54" SWITCH-CTS-219-8MST 7.636,-8.878 r180 top (schematic designator SW18)
SW18_PORTC "SWITCH-DIP-NOX8-SMT-2.54" SWITCH-CTS-219-8MST 7.64,-40.501 r180 top (schematic designator SW18)
SW18_PORTD "SWITCH-DIP-NOX8-SMT-2.54" SWITCH-CTS-219-8MST 7.636,-72.124 r180 top (schematic designator SW18)
SW18_PORTE "SWITCH-DIP-NOX8-SMT-2.54" SWITCH-CTS-219-8MST 76.077,-72.771 r0 top (schematic designator SW18)
SW18_PORTF "SWITCH-DIP-NOX8-SMT-2.54" SWITCH-CTS-219-8MST 76.077,-41.148 r0 top (schematic designator SW18)
SW18_PORTG "SWITCH-DIP-NOX8-SMT-2.54" SWITCH-CTS-219-8MST 76.077,-9.525 r0 top (schematic designator SW18)
U1 "IC-ATMEL-AV64DA64-QFP64" QFP50P1000X1000X100-64N 41.406,-39.751 r315 top locked
U2 "IC-TI-SN74LVC2G14" SOT23-6 51.943,-88.9 r0 top
U3 "MT3608" SOT23-6 35.7,-1.1 r270 top
U4 "CP2102" SO127P600-16N 35.814,20.955 r270 top
U5 "74V1G3157" SOT23-6 31.366,-11.271 r90 top
U6 "74V1G3157" SOT23-6 38.478,-11.271 r90 top
U7 "IC-TI-SN74LVC2G14" SOT23-6 67.564,11.43 r270 top
U8 "PCAL9555" SO65P640X120-24N 41.406,-99.949 r270 top
U9 "MCP4706A0T" sot23-6 33.45,-79.425 r0 top
U10 "MCP4551T-103" SO65P490-8N 41.529,-83.82 r90 top
U11 "FM24C64B-GTR" SO127P600-8N 31.496,-105.029 r0 top
U12 "LM4040-2.048" SOT23 35.687,-64.774 r0 top

## Footprints (in the part's own frame and the unit in brackets; to place one, negate y for a bottom-side part, rotate by r counter-clockwise, add the part's x,y. Pads: shape width x height; smd on the part's side, far side on the other; paste and mask are expansions set on the pad)
CAPC0603 [mm] "CAPACITOR, CHIP 0603 (1608) 0.5MM THICK"
  rrect25% 0.72x0.99 smd paste+0 mask+0.075: 1(-0.69,0) 2(0.69,0)
  body extent -0.81,-0.41 0.81,0.41, height 0.51
CONN-CUI-PJ-002B [mm] "CONN,BARREL JACK"
  oval 5x2.5 hole 1 slot 3.5 at 0 deg: 1(0,6)
  oval 4.5x2.25 hole 1 slot 3 at 0 deg: 2(0,0)
  oval 2.25x4.5 hole 1 slot 3 at 90 deg: 3(4.7,3)
  body extent -4.44,-7.68 4.96,6.72, height 11.01
CONN-CUI-UJ2-BH-BL1-TH [mm] "CONN-CUI-UJ2-BH-BL1-TH"
  rect 1.428x1.428 hole 0.92 mask+0.05: 1(0.55,2.825)
  round 1.428 hole 0.92 mask+0.05: 2(-1.95,2.825) 3(-1.95,0.825) 4(0.55,0.825)
  round 3.316 hole 2.3 mask+0.05: SH1(-6.72,-1.885) SH2(5.32,-1.885)
  body extent -8.22,-12.13 6.78,4.32, height 10.3
"CONNECTOR GENERIC-BOXHEADER-2X10" [mm] "CONNECTOR GENERIC-BOXHEADER-2X10"
  rect 1.5x1.5 hole 1 mask+0.075: 1(-1.27,11.43)
  round 1.5 hole 1 mask+0.075: 2(1.27,11.43) 3(-1.27,8.89) 4(1.27,8.89) 5(-1.27,6.35) 6(1.27,6.35) 7(-1.27,3.81) 8(1.27,3.81) 9(-1.27,1.27) 10(1.27,1.27) 11(-1.27,-1.27) 12(1.27,-1.27) 13(-1.27,-3.81) 14(1.27,-3.81) 15(-1.27,-6.35) 16(1.27,-6.35) 17(-1.27,-8.89) 18(1.27,-8.89) 19(-1.27,-11.43) 20(1.27,-11.43)
  silkscreen extent -4.45,15.76 -3.7,16.51, body extent -4.45,-16.51 4.45,16.51, height 8.81
CONNECTOR-GENERIC-BOXHEADER-2X8 [mm] "CONNECTOR GENERIC-BOXHEADER-2X8"
  rect 1.65x1.65 hole 1 mask+0.1: 1(-8.883,-1.258)
  round 1.65 hole 1 mask+0.1: 2(-8.883,1.282) 3(-6.343,-1.258) 4(-6.343,1.282) 5(-3.803,-1.258) 6(-3.803,1.282) 7(-1.263,-1.258) 8(-1.263,1.282) 9(1.277,-1.258) 10(1.277,1.282) 11(3.817,-1.258) 12(3.817,1.282) 13(6.357,-1.258) 14(6.357,1.282) 15(8.897,-1.258) 16(8.897,1.282)
  body extent -13.92,-4.4 13.9,4.7, height 9.11
CONNECTOR-GENERIC-PINHEADER-2X2 [mm] "CONNECTOR GENERIC-PINHEADER-2X2"
  rect 1.65x1.65 hole 1 mask+0.1: 1(-1.267,-1.249)
  round 1.65 hole 1 mask+0.1: 2(-1.267,1.291) 3(1.273,-1.249) 4(1.273,1.291)
  body extent -2.54,-2.54 2.54,2.54, height 9.26
CONNECTOR-GENERIC-PINHEADER-2X4 [mm] "CONNECTOR GENERIC-PINHEADER-2X4"
  rect 1.65x1.65 hole 1 mask+0.1: 1(-3.818,-1.259)
  round 1.65 hole 1 mask+0.1: 2(-3.818,1.281) 3(-1.278,-1.259) 4(-1.278,1.281) 5(1.262,-1.259) 6(1.262,1.281) 7(3.802,-1.259) 8(3.802,1.281)
  body extent -5.08,-2.54 5.08,2.54, height 9.26
CONNECTOR-GENERIC-PINHEADER-2X5 [mm] "CONNECTOR GENERIC-PINHEADER-2X5"
  rect 1.65x1.65 hole 1 mask+0.1: 1(-5.067,-1.279)
  round 1.65 hole 1 mask+0.1: 2(-5.067,1.261) 3(-2.527,-1.279) 4(-2.527,1.261) 5(0.013,-1.279) 6(0.013,1.261) 7(2.553,-1.279) 8(2.553,1.261) 9(5.09,-1.277) 10(5.093,1.261)
  body extent -6.35,-2.54 6.35,2.54, height 9.26
CONNECTOR-GENERIC-PINHEADER-2X8 [mm] "CONNECTOR GENERIC-PINHEADER-2X8"
  rect 1.65x1.65 hole 1 mask+0.1: 1(-8.883,-1.258)
  round 1.65 hole 1 mask+0.1: 2(-8.883,1.282) 3(-6.343,-1.258) 4(-6.343,1.282) 5(-3.803,-1.258) 6(-3.803,1.282) 7(-1.263,-1.258) 8(-1.263,1.282) 9(1.277,-1.258) 10(1.277,1.282) 11(3.817,-1.258) 12(3.817,1.282) 13(6.357,-1.258) 14(6.357,1.282) 15(8.897,-1.258) 16(8.897,1.282)
  body extent -10.16,-2.54 10.16,2.54, height 9.26
CONNECTOR-GENERIC-PINHEADER-2X10 [mm] "CONNECTOR GENERIC-PINHEADER-2X10"
  rect 1.65x1.65 hole 1 mask+0.1: 1(-11.442,-1.254)
  round 1.65 hole 1 mask+0.1: 2(-11.442,1.286) 3(-8.902,-1.254) 4(-8.902,1.286) 5(-6.362,-1.254) 6(-6.362,1.286) 7(-3.822,-1.254) 8(-3.822,1.286) 9(-1.282,-1.254) 10(-1.282,1.286) 11(1.258,-1.254) 12(1.258,1.286) 13(3.798,-1.254) 14(3.798,1.286) 15(6.338,-1.254) 16(6.338,1.286) 17(8.878,-1.254) 18(8.878,1.286) 19(11.418,-1.254) 20(11.418,1.286)
  body extent -12.7,-2.54 12.7,2.54, height 9.26
HEADER-GENERIC-MALE-1X3 [mm] "HEADER-GENERIC-MALE-1X3"
  rect 1.65x1.65 hole 1: 1(-2.54,0)
  round 1.65 hole 1: 2(0,0) 3(2.54,0)
  body extent -4.06,-1.27 4.06,1.27, height 8.51